# Altium PCB NG2092.PcbDoc (part 5 of 5)
Units mm, origin at the board's own origin, x right, y up, seen from the top; angles counter-clockwise.
Board outline 60 x 45 mm, 6 copper layers (Top Layer, Inner Layer 1, Ground 1, Inner Layer 2, Ground 2, Bottom Layer), stack 1.599 mm thick; 265 components, 220 nets, 1303 pads, 742 vias.
Unrouted connection lines stored in the file: 5.
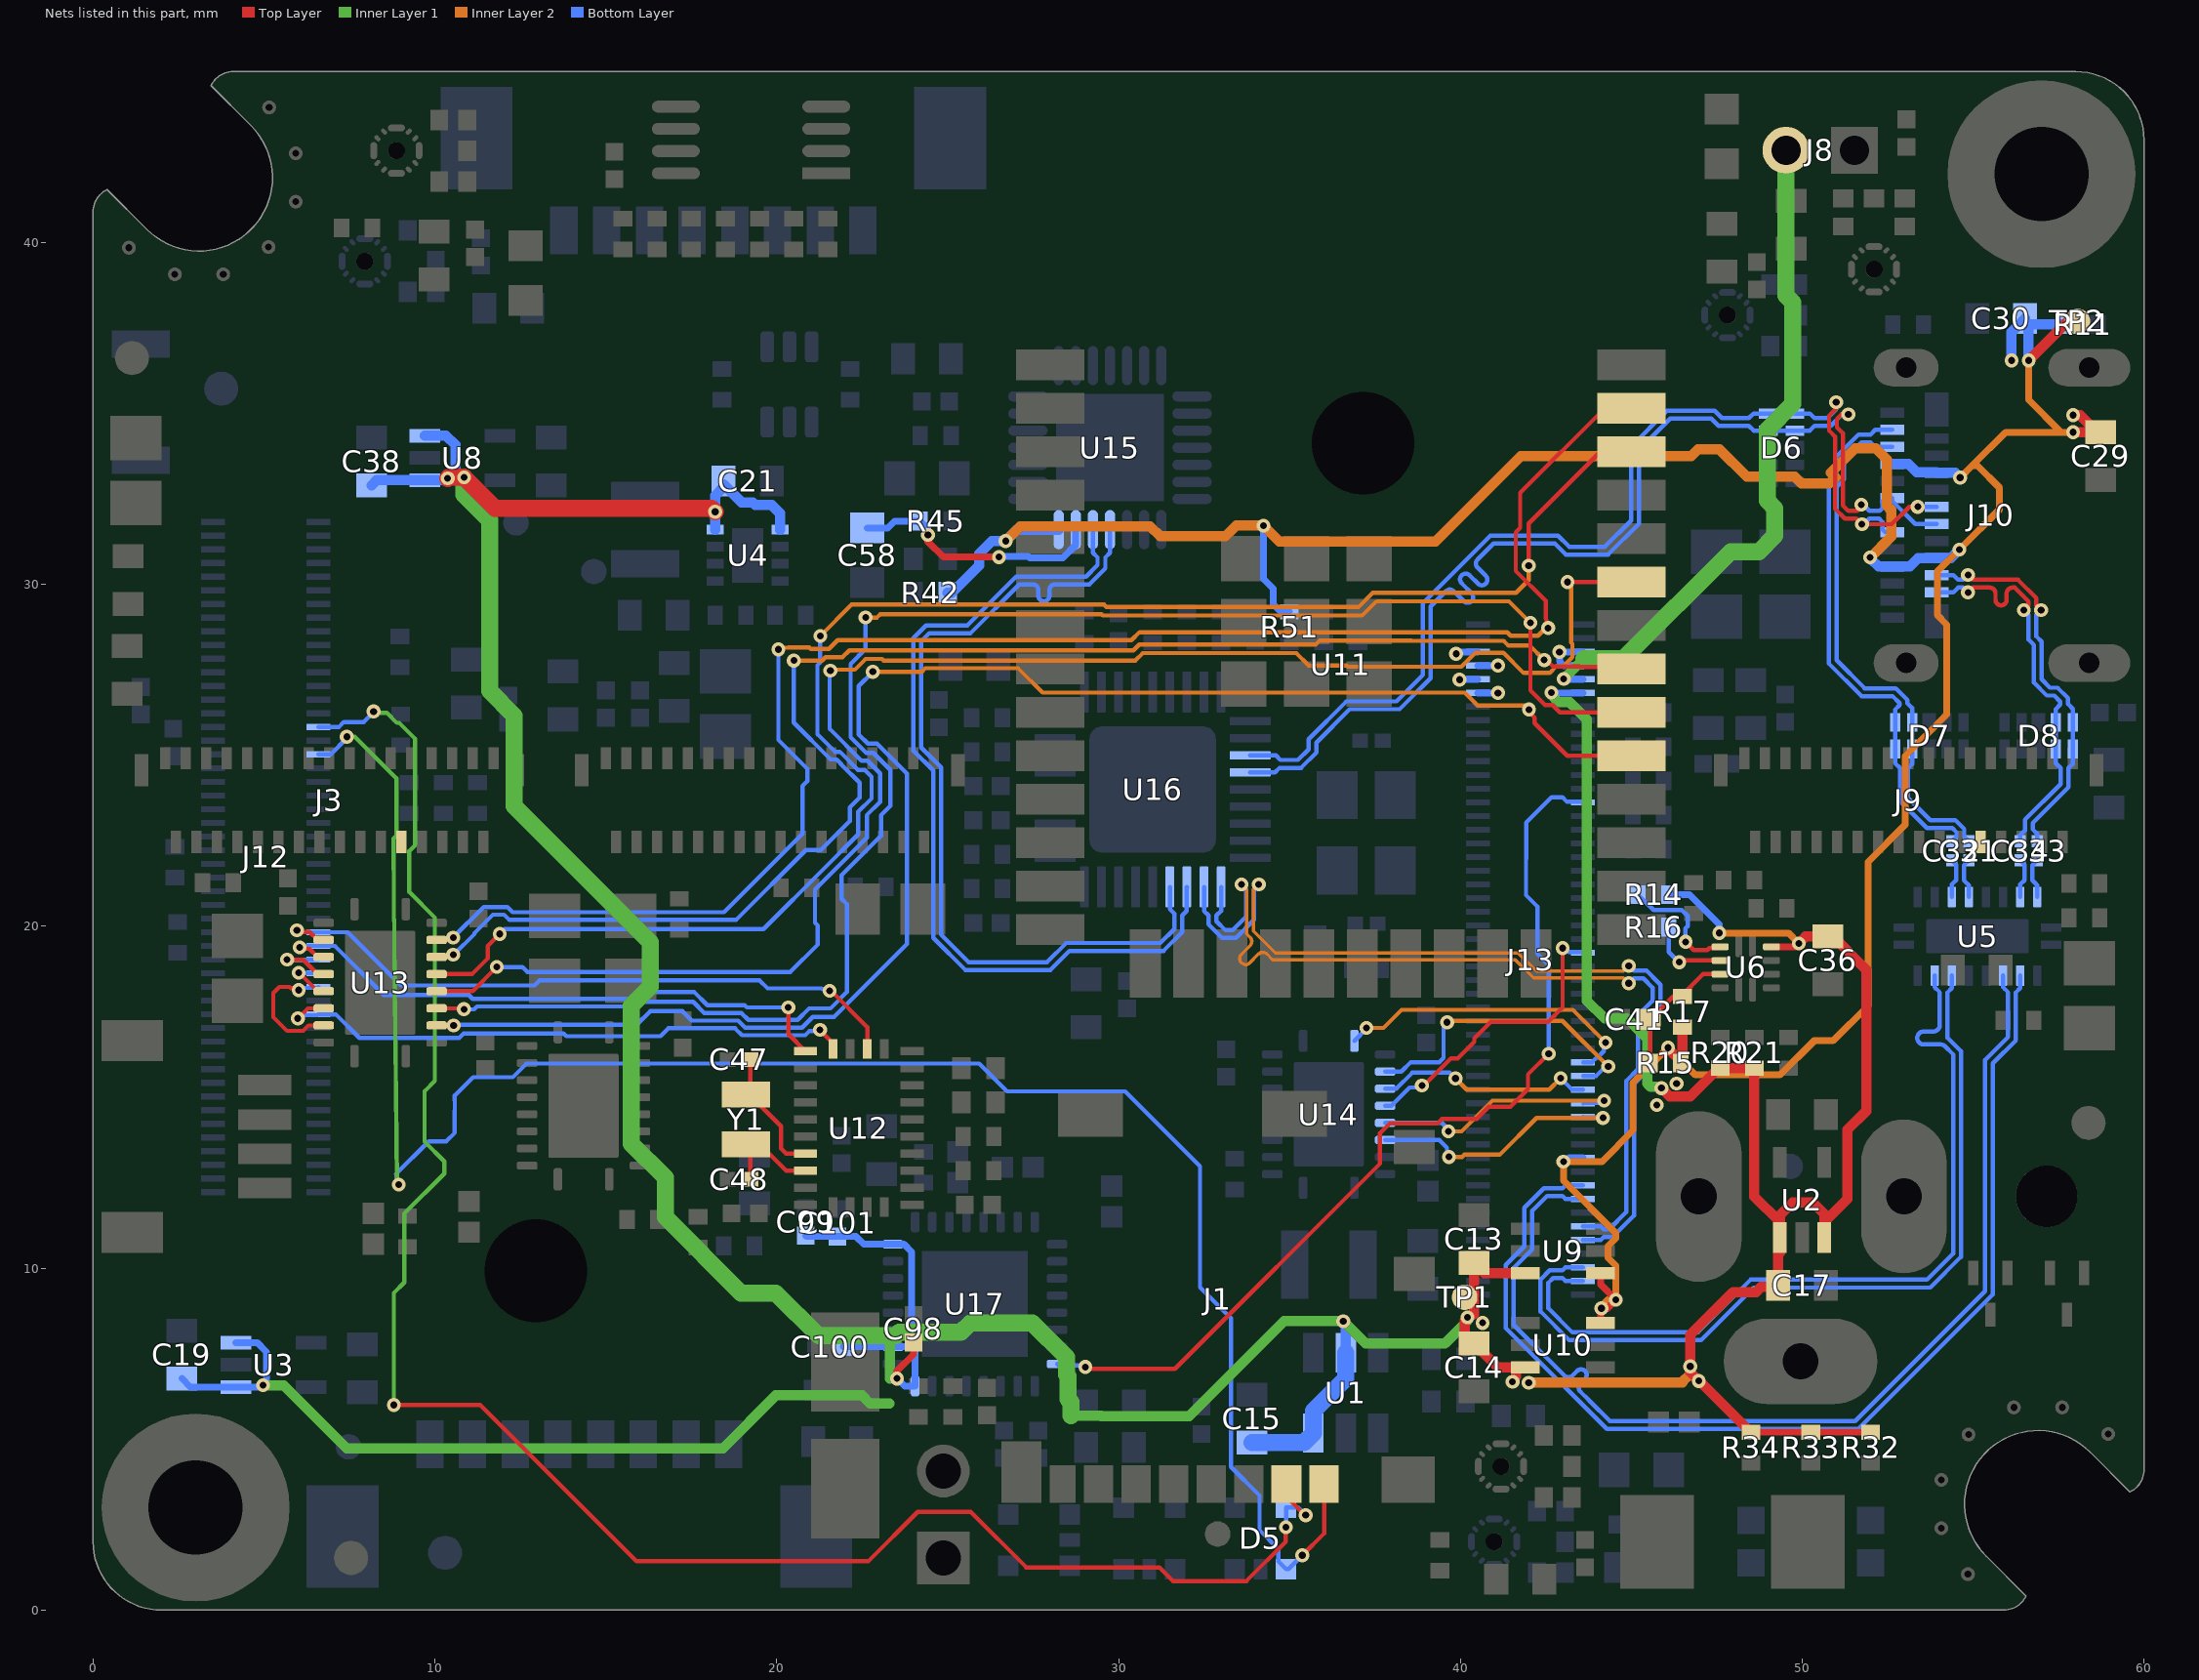
[diagram p9: the nets of this part, all layers, seen from the top]

## Via types
v1: diameter 0.406, hole 0.203, Top Layer to Bottom Layer, tented both sides, 734 vias
v2: diameter 0.508, hole 0.254, Top Layer to Bottom Layer, 8 vias

## Nets (pads, with @x,y where several pads share a name; then routed paths per layer and width w, separated by ;. In a path a pad name is that pad's centre, name@x,y a point inside that pad or via, vN(x,y) a via of type N, cw(c..) or ccw(c..) an arc to the next point about the centre after c; other vN are vias at no path point) (continued)
SD0_D2_3V3: D5.1 J1.1 J12.36 | length 57.9
  Top Layer w0.125: v1(35.375,1.6) 36.012,2.238 J1.1@36.012,3.688
  Inner Layer 1 w0.125: v1(7.425,25.544) 7.656,25.544 8.875,24.325 8.875,22.65 8.827,22.602 8.791,22.566 8.791,22.462 8.8,20.819 8.894,12.493 v1(8.946,12.442)
  Bottom Layer w0.125: J12.36@6.59,25.025 6.95,25.025 7.425,25.5 v1(7.425,25.544) ; v1(8.946,12.442) 8.892,12.495 8.892,12.717 8.859,12.75 9.819,13.709 10.331,13.709 10.582,13.961 10.582,14.6 10.585,14.603 10.585,14.906 10.582,14.908 10.582,15.049 11.117,15.584 12.281,15.584 12.681,15.984 25.927,15.984 26.74,15.172 30.192,15.172 32.386,12.978 32.386,9.438 33.287,8.536 33.287,4.187 34.125,3.35 34.125,2.335 34.675,1.785 34.675,1.425 D5.1@34.9,1.2 34.975,1.2 v1(35.375,1.6)
SD0_D3_3V3: D5.5 J1.2 J12.32 | length 56.9
  Top Layer w0.125: v1(8.8,6) 11.325,6 15.9,1.425 22.677,1.425 24.127,2.875 25.675,2.875 27.3,1.25 31.193,1.25 31.593,0.85 33.742,0.85 34.889,1.997 34.889,2.414 v1(34.9,2.425) ; J1.2@34.912,3.688 34.912,3.313 35.425,2.8 35.45,2.8 v1(35.475,2.775)
  Inner Layer 1 w0.125: v1(8.206,26.284) 8.247,26.243 8.596,26.243 8.889,25.95 8.957,25.95 9.425,25.482 9.425,22.375 9.254,22.204 9.254,21.001 10,20.255 10,15.475 9.7,15.175 9.7,13.7 10.275,13.125 10.275,12.768 9.109,11.602 9.109,9.584 8.8,9.275 v1(8.8,6)
  Bottom Layer w0.125: J12.32@6.59,25.825 7.189,25.825 7.339,25.975 7.925,25.975 8.206,26.256 v1(8.206,26.284) ; v1(34.9,2.425) D5.5@34.9,3 35.25,3 v1(35.475,2.775)
SPI0_CS_0: J12.70 U13.8 | length 3.9
  Top Layer w0.125: v1(6.019,18.134) 5.965,18.187 5.787,18.187 5.75,18.225 5.45,18.225 5.275,18.05 5.275,17.341 5.675,16.941 6.144,16.941 6.303,17.1 U13.8@6.75,17.1
  Bottom Layer w0.125: v1(6.019,18.134) 6.095,18.134 6.159,18.197 6.562,18.197 J12.70@6.59,18.225
SPI0_SCK: J12.74 U12.19 U13.7 | length 17.5
  Top Layer w0.125: v1(5.992,17.306) 6.286,17.6 U13.7@6.75,17.6 ; v1(21.267,16.972) 21.267,16.958 21.65,16.575 U12.19@21.65,16.413
  Bottom Layer w0.125: v1(5.992,17.306) 6.062,17.306 6.153,17.397 6.562,17.397 J12.74@6.59,17.425 7.1,17.425 7.791,16.734 10.711,16.734 10.842,16.866 13.763,16.866 13.844,16.784 16.601,16.784 16.833,17.016 18.781,17.016 18.984,16.812 20.834,16.812 20.952,16.93 21.226,16.93 v1(21.267,16.972)
SPI0_SIO0: J12.62 U12.17 U13.3 | length 19.5
  Top Layer w0.125: v1(5.965,19.885) 6.019,19.831 6.339,19.831 6.57,19.6 U13.3@6.75,19.6 ; v1(21.55,18.11) 21.59,18.11 22.65,17.05 U12.17@22.65,16.413
  Bottom Layer w0.125: v1(5.965,19.885) 6.025,19.825 J12.62@6.59,19.825 7.45,19.825 9.006,18.269 12.917,18.269 13.064,18.416 19.503,18.416 19.734,18.184 21.317,18.184 21.338,18.163 21.496,18.163 v1(21.55,18.11)
SPI0_SIO1: J12.64 U12.20 U13.4 | length 17.5
  Top Layer w0.125: v1(6.044,19.385) 6.083,19.346 6.324,19.346 6.57,19.1 U13.4@6.75,19.1 ; v1(20.34,17.628) 20.34,16.847 U12.20@20.837,16.35
  Bottom Layer w0.125: v1(6.044,19.385) 6.084,19.425 J12.64@6.59,19.425 7.075,19.425 8.509,17.991 10.991,17.991 11.103,17.879 15.707,17.879 15.91,18.082 17.583,18.082 17.974,17.691 19.061,17.691 19.123,17.628 v1(20.34,17.628)
SPI0_SIO2: J12.66 U13.5 | length 2.2
  Top Layer w0.125: v1(5.678,19.025) 5.684,19.019 6.154,19.019 6.382,18.792 6.382,18.788 6.57,18.6 U13.5@6.75,18.6
  Bottom Layer w0.125: v1(5.678,19.025) 5.684,19.019 6.584,19.019 J12.66@6.59,19.025
SPI0_SIO3: J12.68 U13.6 | length 1.5
  Top Layer w0.125: v1(6.016,18.64) 6.03,18.64 6.57,18.1 U13.6@6.75,18.1
  Bottom Layer w0.125: v1(6.016,18.64) 6.024,18.633 6.582,18.633 J12.68@6.59,18.625
SPI1_CLK_1V8: J13.72 U14.6 | length 7.5
  Inner Layer 2 w0.125: v1(39.65,14) 40.035,14 40.937,14.902 v1(44.202,14.902)
  Bottom Layer w0.125: U14.6@37.8,14.25 39.461,14.25 v1@39.68,14.03 ; J13.72@43.59,14.825 43.605,14.84 44.071,14.84 44.133,14.902 v1(44.202,14.902)
SPI1_CS0_1V8: J13.74 U14.7 | length 7.8
  Inner Layer 2 w0.125: v1(39.663,13.253) 40.051,13.253 40.116,13.319 41.151,13.319 42.228,14.396 v1(44.171,14.396)
  Bottom Layer w0.125: U14.7@37.8,13.75 39.383,13.75 39.609,13.523 39.609,13.307 v1(39.663,13.253) ; J13.74@43.59,14.425 43.604,14.411 44.157,14.411 v1(44.171,14.396)
SPI1_D0_1V8: J13.66 U14.1 | length 9.2
  Inner Layer 2 w0.125: v1(37.253,17.028) 37.753,17.028 38.282,17.557 43.289,17.557 v1(44.25,16.596)
  Bottom Layer w0.125: U14.1@36.9,16.65 37.253,17.003 v1(37.253,17.028) ; J13.66@43.59,16.025 43.85,16.025 43.981,16.156 44.009,16.156 44.201,16.348 44.201,16.547 v1(44.25,16.596)
SPI1_D1_1V8: J13.68 U14.3 | length 9.1
  Inner Layer 2 w0.125: v1(39.613,17.191) 39.66,17.237 42.987,17.237 v1(44.325,15.9)
  Bottom Layer w0.125: U14.3@37.8,15.75 38.275,15.75 38.55,16.025 39.385,16.025 39.509,16.15 39.509,17.087 v1(39.613,17.191) ; J13.68@43.59,15.625 43.975,15.625 44.25,15.9 v1(44.325,15.9)
SPI1_D2_1V8: J13.70 U14.4 | length 6.5
  Inner Layer 2 w0.125: v1(39.857,15.55) 40.185,15.222 42.599,15.222 v1(42.937,15.559)
  Bottom Layer w0.125: U14.4@37.8,15.25 38.125,15.25 38.591,15.716 38.715,15.716 38.718,15.719 39.032,15.719 39.035,15.716 39.691,15.716 v1(39.857,15.55) ; v1(42.937,15.559) 42.937,15.55 43.262,15.225 J13.70@43.59,15.225
SPI1_D3_1V8: J13.50 U14.5 | length 8.8
  Top Layer w0.125: v1(38.875,15.341) 38.927,15.341 39.724,16.138 39.923,16.138 40.408,16.623 40.408,16.718 40.893,17.203 42.569,17.203 42.991,17.626 v1(42.991,19.362)
  Bottom Layer w0.125: U14.5@37.8,14.75 37.98,14.75 38.517,15.287 38.821,15.287 v1(38.875,15.341) ; v1(42.991,19.362) 43.067,19.362 43.177,19.252 43.562,19.252 J13.50@43.59,19.225
SPKR_MCLK: J13.28 U17.8 | length 28.1
  Top Layer w0.125: v1(29.027,7.11) 29.076,7.061 29.254,7.061 29.259,7.056 31.648,7.056 37.65,13.058 37.65,13.95 37.937,14.238 39.335,14.238 39.463,14.366 40.481,14.366 40.837,14.722 41.464,14.722 41.978,15.236 41.978,15.668 v1(42.583,16.273)
  Bottom Layer w0.125: U17.8@28.2,7.2 28.245,7.155 28.982,7.155 v1(29.027,7.11) ; v1(42.583,16.273) 42.583,18.868 42.252,19.2 42.252,20.578 41.921,20.91 41.921,21.974 41.923,21.977 41.923,23.033 42.668,23.778 42.982,23.778 43.12,23.64 43.575,23.64 J13.28@43.59,23.625
STROBE1: J3.10
STROBE2: J9.10
TXB1_N: C31.2 U5.15 | length 1.1
  Bottom Layer w0.127: 54.843,21.235 54.729,21.349 54.729,21.781 C31.2@54.877,21.928 ; U5.15@54.877,20.858 54.877,21.201
TXB1_P: C32.2 U5.14 | length 1.2
  Bottom Layer w0.127: U5.14@54.377,20.858 54.377,21.225 54.501,21.349 54.501,21.804 C32.2@54.377,21.928
TXB_N: C31.1 D7.4 D7.7 J10.A3 | length 15.6
  Bottom Layer w0.127: J10.A3@52.63,34.02 52.136,34.02 52,34.156 51.74,34.156 51.227,33.643 51.227,33.074 51.004,32.85 51.004,27.785 51.828,26.961 52.737,26.961 53.079,26.62 53.079,26.521 53.215,26.385 D7.7@53.215,25.965 D7.4@53.215,25.185 53.215,24.75 53.091,24.626 53.091,23.757 53.745,23.104 54.482,23.104 54.741,22.845 54.741,22.624 C31.1@54.877,22.488
TXB_P: C32.1 D7.5 D7.6 J10.A2 | length 16
  Bottom Layer w0.127: J10.A2@52.63,34.52 52.136,34.52 52,34.384 51.645,34.384 50.999,33.738 50.999,33.169 50.775,32.945 50.775,27.691 51.733,26.733 52.642,26.733 52.85,26.525 52.85,26.471 52.715,26.335 D7.6@52.715,25.965 D7.5@52.715,25.185 52.715,24.774 52.862,24.626 52.862,23.663 53.65,22.875 54.388,22.875 54.513,22.75 54.513,22.624 C32.1@54.377,22.488
TXC1_N: C33.2 U5.19 | length 1.1
  Bottom Layer w0.127: 56.843,21.235 56.729,21.349 56.729,21.781 C33.2@56.877,21.928 ; U5.19@56.877,20.858 56.877,21.201
TXC1_P: C34.2 U5.18 | length 1.2
  Bottom Layer w0.127: U5.18@56.377,20.858 56.377,21.225 56.501,21.349 56.501,21.804 C34.2@56.377,21.928
TXC_N: C33.1 D8.1 D8.10 J10.B3 | length 11.6
  Top Layer w0.127: v1(54.85,30.273) 54.989,30.134 56.312,30.134 56.852,29.595 56.852,29.385 v1(56.991,29.246)
  Bottom Layer w0.127: J10.B3@53.93,30.27 54.425,30.27 54.561,30.134 54.711,30.134 v1(54.85,30.273) ; C33.1@56.877,22.488 56.877,22.701 56.741,22.837 56.741,23.018 57.791,24.068 57.791,24.626 57.915,24.75 D8.1@57.915,25.185 D8.10@57.915,25.965 57.915,26.36 57.779,26.496 57.779,26.67 57.47,26.979 57.25,26.979 57.002,27.227 57.002,28.327 56.852,28.477 56.852,29.107 v1(56.991,29.246)
TXC_P: C34.1 D8.2 D8.9 J10.B2 | length 12
  Top Layer w0.127: v1(54.85,29.767) 54.989,29.906 55.1,29.906 55.491,29.906 cw(c55.491,29.742) 55.654,29.742 55.654,29.55 ccw(c55.818,29.55) 55.981,29.55 55.981,29.742 cw(c56.145,29.742) 56.145,29.906 56.218,29.906 56.455,29.668 56.525,29.598 56.623,29.5 56.623,29.385 v1(56.484,29.246)
  Bottom Layer w0.127: J10.B2@53.93,29.77 54.425,29.77 54.561,29.906 54.711,29.906 v1(54.85,29.767) ; C34.1@56.377,22.488 56.377,22.664 56.513,22.8 56.513,23.113 57.562,24.162 57.562,24.626 57.415,24.774 D8.2@57.415,25.185 D8.9@57.415,25.965 57.415,26.35 57.55,26.486 57.55,26.575 57.375,26.75 57.155,26.75 56.773,27.132 56.773,28.232 56.623,28.382 56.623,29.107 v1(56.484,29.246)
USB_CM: R14.1 U6.3 | length 3.6
  Top Layer w0.127: v1(46.586,19.545) 46.822,19.308 47.227,19.308 47.282,19.363 47.564,19.363 U6.3@47.6,19.4
  Bottom Layer w0.127: R14.1@45.2,20.925 45.65,20.475 46.475,20.475 46.65,20.3 46.65,20.002 46.586,19.938 v1(46.586,19.545)
USB_D_N: D6.1 D6.10 J10.A7 J10.B7 U16.30 | length 32.8
  Top Layer w0.127: v1(50.992,35.333) 50.992,35.137 50.832,34.977 50.786,34.93 50.786,34.499 50.959,34.326 50.959,32.216 51.25,31.925 51.584,31.925 v1(51.748,31.761) 52.625,31.761 53.134,32.27 v1(53.38,32.27)
  Bottom Layer w0.127: U16.30@33.85,25 34.6,25 34.736,24.864 35.246,24.864 35.557,25.175 35.557,25.47 36.665,26.579 38.129,26.579 38.9,27.35 38.9,29.448 40.878,31.426 42.858,31.426 43.182,31.102 44.227,31.102 44.996,31.871 44.996,34.03 46.043,35.077 47.437,35.077 47.649,34.864 48.441,34.864 48.577,35 D6.10@49.01,35 D6.1@49.79,35 50.225,35 50.361,34.864 50.739,34.864 50.992,35.117 v1(50.992,35.333) ; v1(51.748,31.761) 51.798,31.761 51.962,31.925 52.25,31.925 52.343,31.831 52.343,31.607 52.43,31.52 J10.A7@52.63,31.52 ; v1(53.38,32.27) J10.B7@53.93,32.27
USB_D_P: D6.2 D6.9 J10.A6 J10.B6 U16.31 | length 33.9
  Top Layer w0.127: v1(51.35,34.975) 51.154,34.975 51.014,34.836 51.014,34.594 51.121,34.488 51.188,34.42 51.188,32.31 51.345,32.154 51.604,32.154 51.731,32.281 v1(51.731,32.328)
  Bottom Layer w0.127: U16.31@33.85,24.5 34.575,24.5 34.711,24.636 35.341,24.636 35.786,25.08 35.786,25.376 36.76,26.35 38.223,26.35 39.129,27.255 39.129,29.354 39.3,29.525 39.576,29.801 cw(c39.692,29.686) 39.807,29.801 40.099,29.509 ccw(c40.215,29.625) 40.33,29.509 ccw(c40.215,29.625) 40.33,29.741 40.039,30.032 cw(c40.154,30.148) 40.039,30.264 cw(c40.154,30.148) 40.27,30.264 40.511,30.022 ccw(c40.627,30.138) 40.743,30.022 ccw(c40.627,30.138) 40.743,30.253 40.501,30.495 cw(c40.617,30.61) 40.501,30.726 40.973,31.198 41.302,31.198 42.763,31.198 43.087,30.874 44.322,30.874 45.225,31.777 45.225,33.936 46.137,34.848 47.342,34.848 47.554,34.636 48.441,34.636 48.577,34.5 D6.9@49.01,34.5 D6.2@49.79,34.5 50.225,34.5 50.361,34.636 50.834,34.636 51.173,34.975 v1(51.35,34.975) ; v1(51.731,32.328) 51.787,32.328 51.962,32.154 52.269,32.154 52.343,32.228 52.343,32.434 52.43,32.52 J10.A6@52.63,32.52 52.63,32.445 53.305,31.77 J10.B6@53.93,31.77
USB_ESP_D_N: U15.5 U16.3 | length 25.9
  Bottom Layer w0.127: 24.371,28.8 23.998,28.427 23.998,25.136 24.58,24.554 24.58,19.662 24.608,19.633 25.518,18.724 28.007,18.724 28.565,19.282 31.315,19.282 31.86,19.827 31.86,20.318 31.992,20.45 31.992,21.142 U16.3@32,21.15 ; 24.371,28.804 25.579,28.804 27.004,30.229 29.05,30.229 29.386,30.564 29.386,30.789 29.25,30.925 U15.5@29.25,31.6
USB_ESP_D_P: U15.4 U16.4 | length 25.8
  Bottom Layer w0.127: U15.4@29.75,31.6 29.75,30.925 29.614,30.789 29.614,30.47 29.145,30 28.625,30 28.143,30 ccw(c28.143,29.837) 27.979,29.837 27.979,29.674 cw(c27.816,29.674) 27.652,29.674 27.652,29.837 ccw(c27.489,29.837) 27.489,30 27.098,30 25.673,28.575 24.47,28.575 24.226,28.332 24.226,25.231 24.808,24.649 24.808,19.756 25.612,18.952 27.912,18.952 28.47,19.511 31.22,19.511 31.632,19.922 31.632,20.368 31.5,20.5 U16.4@31.5,21.15
USB_MX_D_N: J13.90 U16.1 | length 26.9
  Inner Layer 2 w0.1: v1(33.595,21.225) 33.747,21.072 33.747,20.393 33.747,19.781 33.848,19.68 cw(c33.724,19.556) 33.848,19.433 33.595,19.179 ccw(c33.718,19.056) 33.595,18.932 ccw(c33.718,19.056) 33.842,18.932 34.095,19.185 cw(c34.219,19.061) 34.343,19.185 34.506,19.022 34.522,19.022 41.606,19.022 42.142,18.486 44.772,18.486 v1(44.925,18.334)
  Bottom Layer w0.127: U16.1@33,21.15 33,20.45 32.864,20.314 32.864,20.15 33.129,19.885 33.335,19.885 33.734,20.284 33.734,21.086 v1(33.595,21.225) ; J13.90@43.59,11.225 44.105,11.225 44.191,11.139 44.355,11.139 44.85,11.634 44.85,15.473 45.199,15.822 45.199,16.087 45.199,17.133 45.199,17.399 45.625,17.825 45.625,18.2 45.352,18.473 45.064,18.473 v1(44.925,18.334)
USB_MX_D_P: J13.92 U16.2 | length 26.9
  Inner Layer 2 w0.1: v1(34.101,21.225) 33.949,21.072 33.949,19.864 34.589,19.224 41.689,19.224 42.225,18.688 44.772,18.688 v1(44.925,18.84)
  Bottom Layer w0.127: U16.2@32.5,21.15 32.5,20.45 32.636,20.314 32.636,20.055 33.035,19.656 33.43,19.656 33.962,20.189 33.962,21.086 v1(34.101,21.225) ; J13.92@43.59,10.825 44.105,10.825 44.191,10.911 44.45,10.911 45.079,11.54 45.079,15.379 45.427,15.727 45.427,16.182 45.427,17.039 45.427,17.304 45.854,17.73 45.854,18.295 45.787,18.362 45.447,18.701 45.064,18.701 v1(44.925,18.84)
USB_PORT: R16.1 U6.4 | length 2.2
  Top Layer w0.127: v1@46.5,19 U6.4@47.6,19
  Bottom Layer w0.127: R16.1@46.1,19.975 46.1,19.25 v1(46.4,18.95)
USB_RX_N: J13.96 U5.7 | length 24.4
  Bottom Layer w0.127: J13.96@43.59,10.025 43.075,10.025 42.989,9.939 42.616,9.939 42.346,9.67 42.346,8.73 43.185,7.892 44.163,7.892 44.912,7.892 47.042,7.892 47.559,8.409 48.583,9.433 53.745,9.433 54.642,10.33 54.642,16.349 54.253,16.738 54.253,18.068 54.377,18.192 U5.7@54.377,18.558
USB_RX_P: J13.98 U5.8 | length 24.4
  Bottom Layer w0.127: J13.98@43.59,9.625 43.075,9.625 42.989,9.711 42.711,9.711 42.575,9.575 42.575,8.825 43.28,8.12 43.475,8.12 44.203,8.12 45.627,8.12 45.724,8.12 45.825,8.12 46.947,8.12 48.488,9.662 53.65,9.662 54.414,10.425 54.414,15.875 54.414,16.254 54.179,16.489 ccw(c54.046,16.355) 54.046,16.544 53.553,16.544 cw(c53.553,16.732) 53.365,16.732 cw(c53.553,16.732) 53.553,16.921 53.836,16.921 ccw(c53.836,17.109) 54.024,17.109 54.024,17.55 54.024,18.068 53.911,18.181 ; 53.877,18.215 U5.8@53.877,18.558
USB_TX_N: J13.84 U5.3 | length 32.5
  Bottom Layer w0.127: J13.84@43.59,12.425 43.075,12.425 42.989,12.339 42.441,12.339 41.871,11.77 41.871,10.642 41.33,10.1 41.33,8.247 44.28,5.296 51.645,5.296 55.579,9.23 55.579,15.993 56.253,16.667 56.253,18.068 56.377,18.192 U5.3@56.377,18.558
USB_TX_P: J13.86 U5.4 | length 32.1
  Bottom Layer w0.127: J13.86@43.59,12.025 43.075,12.025 42.989,12.111 42.536,12.111 42.1,11.675 42.1,10.547 41.558,10.005 41.558,8.342 42.738,7.163 42.782,7.118 43.046,6.854 ccw(c43.161,6.97) 43.277,6.854 43.415,6.992 cw(c43.53,6.877) 43.646,6.992 cw(c43.53,6.877) 43.646,6.761 43.508,6.623 ccw(c43.624,6.507) 43.508,6.392 43.739,6.161 43.784,6.116 44.375,5.525 51.55,5.525 55.35,9.325 55.35,16.087 56.024,16.762 56.024,18.068 55.911,18.181 ; 55.877,18.215 U5.4@55.877,18.558
VBUS: C29.2 C30.2 J10.A4 J10.A9 J10.B4 J10.B9 J13.80 R11.2 R15.1 R17.1 R42.2 R51.2 TP2.1 U9.1 U10.3 U15.7 | length 97.3
  Top Layer w0.2: U10.3@44.1,8.4 44.1,8.8 v1(44.125,8.825) 44.3,8.825 v1(44.55,9.075) 44.1,9.525 U9.1@44.1,9.85
  Top Layer w0.3: v1(46.075,16.45) 46.075,16.425 R15.1@46.45,16.05 ; R15.1@46.45,16 R15.1@46.45,16.05 ; R17.1@46.5,17.05 46.5,16.325 46.45,16.275 R15.1@46.45,16.05 ; v1(56.625,36.55) 57.775,37.7 TP2.1@58.05,37.7 ; v1(57.925,34.45) C29.2@58.725,34.45 ; v1(57.925,34.95) 58.125,34.95 C29.2@58.625,34.45
  Inner Layer 2 w0.2: v1(43.015,13.119) 43.015,12.56 44.55,11.025 44.55,10.87 44.322,10.642 44.322,10.308 44.55,10.08 v1(44.55,9.075) 44.307,9.075 44.125,8.893 v1(44.125,8.825) ; v1@43.021,13.119 44.144,13.119 45.05,14.025 45.05,15.425 v1(46.075,16.45) 46.875,15.65 49.35,15.65 50.35,16.65 50.9,16.65 51.925,17.675 51.925,21.881 53.017,22.973 53.017,24.979 54.225,26.187 54.225,28.825 53.95,29.1 53.95,30.371 v1(54.599,31.019) 55.775,32.196 55.775,32.825 55.125,33.475 54.973,33.475 ; v1(54.621,33.122) 54.973,33.475 ; v1(56.625,36.55) 56.625,35.4 57.575,34.45 ; v1(57.925,34.45) 57.575,34.45 ; 54.973,33.475 55.948,34.45 57.575,34.45
  Inner Layer 2 w0.3: v1(26.697,31.267) 27.13,31.7 30.925,31.7 31.216,31.409 33.134,31.409 33.446,31.721 v1(34.237,31.721) 34.708,31.25 39.275,31.25 41.772,33.747 46.752,33.747 46.955,33.95 47.575,33.95 48.375,33.15 49.775,33.15 49.975,32.95 50.8,32.95 50.975,33.125 ; 50.838,33.263 51.55,33.975 52.15,33.975 52.475,33.65 52.475,32.3 52.6,32.175 52.6,31.4 v1(51.988,30.788)
  Bottom Layer w0.2: v1(34.237,31.721) 34.237,30.162 34.522,29.878 34.522,29.42 34.742,29.2 R51.2@35,29.2 ; v1@43.178,13.225 J13.80@43.59,13.225
  Bottom Layer w0.3: R42.2@25,29.75 25.125,29.75 25.925,30.55 25.925,30.9 26.292,31.267 v1(26.697,31.267) 27.03,31.6 U15.7@28.25,31.6 ; v1(51.988,30.788) 51.988,30.758 52.006,30.741 52.025,30.741 52.025,30.725 52.23,30.52 J10.A9@52.63,30.52 53.145,30.52 53.395,30.77 J10.B4@53.93,30.77 54.349,30.77 v1(54.599,31.019) ; J10.A4@52.63,33.52 53.105,33.52 53.35,33.275 J10.B9@53.925,33.275 ; J10.B9@53.93,33.27 54.473,33.27 v1(54.621,33.122) ; v1(56.125,36.55) 56.125,37.275 56.125,37.375 C30.2@56.525,37.775 ; v1(56.625,36.55) 56.625,37.6 R11.2@57.75,37.6
VBUS_DET: C41.2 R15.2 R17.2 U6.5 | length 3.9
  Top Layer w0.127: R15.2@45.55,16 45.55,16.965 C41.2@45.55,17.275 46.225,17.95 R17.2@46.45,17.95 ; R17.2@46.5,17.95 R17.2@46.45,17.95 ; U6.5@47.6,18.6 47.1,18.6 R17.2@46.45,17.95
VDD: C58.2 R45.1 U15.6 | length 7.5
  Top Layer w0.2: v1(24.425,31.45) 24.425,31.25 24.875,30.8 v1(26.5,30.8)
  Bottom Layer w0.2: C58.2@22.65,31.65 23.25,31.65 23.45,31.85 R45.1@24.2,31.85 24.425,31.625 v1(24.425,31.45) ; v1(26.5,30.8) 26.525,30.825 27.35,30.825 27.4,30.775 28.372,30.775 28.75,31.153 U15.6@28.75,31.6
VDD_5V: C13.2 C14.2 C15.2 C17.2 C19.2 C21.2 C36.2 C38.2 C98.2 C99.2 C100.2 C101.2 J8.P2 J13.5 J13.6 J13.7 J13.8 J13.9 J13.10 J13.11 J13.12 R14.2 R20.2 R21.2 R32.2 R33.2 R34.2 TP1.1 U1.3 U1.5 U2.1 U2.3 U3.1 U3.3 U4.1 U4.8 U6.12 U8.1 U8.3 U9.6 U10.6 U17.16 U17.18 U17.24 | length 200.3
  Top Layer w0.2: v1(23.522,6.772) 23.525,6.775 23.525,7 24,7.475 C98.2@24,7.825 ; R34.2@48.5,5.2 R33.2@50.25,5.2 R32.2@52,5.2 ; U6.12@49.1,19.4 49.8,19.4 v1(49.9,19.5)
  Top Layer w0.3: v1@40.125,8.475 40.125,8.075 C14.2@40.4,7.8 41.1,7.1 41.65,7.1 41.625,7.075 v1@41.625,6.825 ; 40.4,8.65 C13.2@40.4,10.15 40.7,9.85 U9.6@41.9,9.85 ; v1(45.883,15.267) 46.125,15.025 46.725,15.025 47.55,15.85 R20.2@47.6,15.85 47.603,15.847 48.265,15.847 48.268,15.85 R21.2@48.6,15.85 48.6,12.1 U2.1@49.35,11.35 ; R34.2@48.5,5.2 47,6.7 v1(46.975,6.7) 46.725,6.95 46.725,8.05 47.975,9.3 48.65,9.3 48.8,9.45 C17.2@49.35,9.45 ; C17.2@49.3,9.5 49.3,10.4 49.35,10.45 U2.1@49.35,10.9 U2.1@49.35,11.35 ; v1(49.9,19.5) 50.048,19.648 50.048,19.652 50.095,19.7 C36.2@50.75,19.7 50.9,19.7 51.875,18.725 51.875,14.6 51.325,14.05 51.325,12.025 U2.3@50.65,11.35 ; U2.3@50.65,10.9 U2.3@50.65,11.35 ; U2.1@49.35,11.35 49.35,11.55 49.725,11.925 50.3,11.925 50.65,11.575 U2.3@50.65,11.35
  Top Layer w0.5: v1(10.375,33.1) 10.408,33.133 v1(10.854,33.133) 11.762,32.225 18.1,32.225 v1(18.2,32.125)
  Inner Layer 1 w0.3: v1(4.975,6.575) 5.575,6.575 7.425,4.725 18.424,4.725 19.977,6.278 20.437,6.278 20.813,6.278 22.5,6.278 22.732,6.047 23.303,6.047 ; 23.307,6.772 23.307,7.843 23.484,8.021 ; 28.603,5.678 29.488,5.678 29.498,5.668 32.059,5.668 34.841,8.45 v1(36.575,8.45) 37.225,7.8 39.55,7.8 40.2,8.45 40.2,8.55 v1(40.21,8.56) ; v1(42.665,26.837) 42.665,26.76 42.875,26.55 43.2,26.55 43.7,26.05 43.7,17.825 44.225,17.3 44.875,17.3 45.475,16.7 45.475,15.4 45.575,15.3 45.85,15.3 v1(45.883,15.267) ; v1(43.025,27.237) 43.611,27.823
  Inner Layer 1 w0.5: v1(10.854,33.133) 10.854,32.621 11.6,31.875 11.6,26.886 12.325,26.161 12.325,23.515 16.308,19.532 16.308,18.235 15.748,17.675 15.748,13.639 16.741,12.647 16.741,11.492 18.961,9.272 19.976,9.272 21.228,8.021 23.484,8.021 23.585,8.122 25.389,8.122 25.67,8.403 27.473,8.403 28.474,7.403 28.474,7.339 28.474,6.881 28.519,6.835 28.519,6.163 28.603,6.079 28.603,5.678 ; 43.611,27.823 44.773,27.823 47.906,30.956 48.731,30.956 49.2,31.425 49.2,32.225 48.975,32.45 48.975,34.525 49.728,35.278 49.728,38.247 49.525,38.45 J8.P2@49.525,42.7
  Inner Layer 2 w0.2: v1(47.575,19.803) 49.597,19.803 v1(49.9,19.5)
  Inner Layer 2 w0.3: v1(42,6.65) 46.5,6.65 46.5,6.679 46.705,6.883
  Bottom Layer w0.2: C19.2@2.6,6.775 2.85,6.525 U3.1@4.175,6.525 4.925,6.525 v1(4.975,6.575) 5.075,6.675 5.075,7.55 4.8,7.825 U3.3@4.175,7.825 ; C99.2@20.85,10.95 20.875,10.925 C101.2@21.775,10.925 22.325,10.925 22.55,10.7 U17.24@23.4,10.7 23.725,10.7 23.95,10.475 23.95,7.725 23.925,7.7 ; C100.2@21.95,7.7 U17.18@23.4,7.7 23.925,7.7 ; v1(23.522,6.772) 23.744,6.55 U17.16@24.05,6.55 24.05,7.575 23.925,7.7 ; v1(39.875,27.969) 39.931,27.969 39.977,28.015 40.5,28.015 J13.5@40.51,28.025 ; v1(39.975,27.212) 39.981,27.219 40.504,27.219 J13.9@40.51,27.225 ; J13.11@40.51,26.825 v1(41.1,26.825) ; J13.7@40.51,27.625 v1(41.1,27.625) ; v1(42.665,26.837) 42.665,26.76 42.675,26.75 42.8,26.75 42.875,26.825 J13.12@43.59,26.825 ; v1(43.025,27.237) 43.044,27.256 43.075,27.225 J13.10@43.59,27.225 ; J13.8@43.59,27.625 43.025,27.625 42.9,27.75 v1(42.9,28.025) J13.6@43.59,28.025 ; R14.2@46.1,20.925 46.7,20.925 47.575,20.05 v1(47.575,19.803)
  Bottom Layer w0.3: C38.2@8.15,32.9 8.3,33.05 U8.1@9.7,33.05 10.325,33.05 v1(10.375,33.1) 10.6,33.325 10.6,34.075 10.325,34.35 U8.3@9.7,34.35 ; U4.8@18.2,31.6 18.2,32.6 C21.2@18.45,32.85 ; C21.2@18.45,32.925 18.978,32.397 19.294,32.397 19.366,32.325 19.85,32.325 20.1,32.075 U4.1@20.1,31.6 ; v1(36.575,8.45) 36.65,8.375 U1.5@36.65,7.525
  Bottom Layer w0.5: C15.2@33.9,4.9 35.425,4.9 U1.3@35.7,5.175 35.7,5.825 36.65,6.775 U1.5@36.65,7.525
  other v1: 41.525,6.675 46.725,7.125 40.65,8.4 45.75,14.775 46.325,15.4
VSPI_CS0: U11.29 U13.13 | length 47.4
  Top Layer w0.125: U13.13@10.05,17.1 v1(10.55,17.1) ; v1(42.006,26.34) 42.006,26.271 42.172,26.105 42.172,25.943 43.128,24.987 U11.29@45,24.987
  Inner Layer 2 w0.125: v1(22.811,27.444) 24.239,27.444 24.345,27.55 27.063,27.55 27.779,26.834 40.132,26.834 40.506,26.459 41.887,26.459 v1(42.006,26.34)
  Bottom Layer w0.125: v1(10.55,17.1) 10.57,17.12 15.903,17.12 16.299,17.516 17.241,17.516 17.516,17.241 18.874,17.241 19.078,17.037 20.741,17.037 21.054,17.35 21.679,17.35 23.81,19.481 23.81,24.465 22.934,25.341 22.666,25.341 22.4,25.608 22.4,27.025 22.811,27.436 v1(22.811,27.444)
VSPI_HOLDn_SIO3: U11.33 U13.15 | length 48.3
  Top Layer w0.125: U13.15@10.05,18.1 11.104,18.1 v1(11.814,18.809) ; v1(43.132,30.067) U11.33@45,30.067
  Inner Layer 2 w0.125: v1(21.569,27.476) 21.6,27.507 22.288,27.507 22.603,27.822 23.083,27.822 23.13,27.775 30.495,27.775 30.71,27.99 35.199,27.99 35.561,27.628 36.669,27.628 36.707,27.59 40.032,27.59 40.444,28.003 41.257,28.003 41.851,27.409 42.61,27.409 42.804,27.603 43.013,27.603 43.278,27.868 43.278,28.261 43.241,28.299 43.241,29.959 v1(43.132,30.067)
  Bottom Layer w0.125: v1(11.814,18.809) 12.558,18.809 12.708,18.659 20.394,18.659 21.203,19.468 21.203,20.022 21.122,20.103 21.122,21.072 21.65,21.601 ; v1(21.569,27.476) 21.55,27.457 21.55,25.775 22.479,24.846 22.654,24.846 23.025,24.475 23.025,23.639 22.636,23.25 22.636,22.587 21.65,21.601
VSPI_SCK: U11.30 U13.14 | length 50.2
  Top Layer w0.125: U13.14@10.05,17.6 10.825,17.6 v1(10.85,17.575) ; v1(42.05,28.875) 42.05,26.9 42.479,26.471 42.696,26.471 42.91,26.257 U11.30@45,26.257
  Inner Layer 2 w0.125: v1(22.6,29.031) 22.932,29.031 23.024,29.123 29.507,29.123 29.539,29.09 37.129,29.09 37.542,29.503 41.422,29.503 v1(42.05,28.875)
  Bottom Layer w0.125: v1(10.85,17.575) 10.855,17.57 11.151,17.57 11.235,17.654 15.8,17.654 15.936,17.789 17.557,17.789 17.881,17.466 18.968,17.466 19.171,17.263 20.612,17.263 20.95,17.6 21.575,17.6 22.05,18.075 22.05,20.653 21.9,20.803 21.9,21.497 23.053,22.651 23.053,23.25 23.325,23.522 23.325,24.575 22.829,25.071 22.619,25.071 22.163,25.527 22.163,27.672 22.6,28.11 v1(22.6,29.031)
VSPI_SDI_SIO1: U11.31 U13.17 | length 44.7
  Top Layer w0.125: U13.17@10.05,19.1 10.471,19.1 v1(10.537,19.166) ; v1(42.453,27.787) 42.523,27.787 42.706,27.603 43.485,27.603 43.506,27.581 44.946,27.581 U11.31@45,27.527
  Inner Layer 2 w0.125: v1(20.502,27.773) 21.331,27.773 21.426,27.868 21.922,27.868 22.126,28.072 30.438,28.072 30.607,28.24 35.768,28.24 35.882,28.353 38.571,28.353 38.577,28.347 41.267,28.347 41.395,28.218 42.022,28.218 v1(42.453,27.787)
  Bottom Layer w0.125: v1(10.537,19.166) 10.548,19.166 11.166,19.784 11.166,19.808 11.699,20.341 12.024,20.341 12.18,20.184 18.81,20.184 20.856,22.23 21.29,22.23 22.136,23.076 22.136,23.475 22.425,23.764 22.425,24.2 21.9,24.725 21.9,24.732 21.803,24.828 21.752,24.88 21.612,24.88 21.601,24.89 21.565,24.89 20.502,25.954 v1(20.502,27.773)
VSPI_SDO_SIO0: U11.37 U13.18 | length 49.5
  Top Layer w0.125: U13.18@10.05,19.6 10.465,19.6 v1(10.537,19.672) ; v1(42.569,28.725) 42.52,28.774 42.52,28.971 42.497,28.993 42.497,29.518 41.622,30.393 41.622,31.522 41.75,31.65 41.75,32.679 44.219,35.147 U11.37@45,35.147
  Inner Layer 2 w0.125: v1(20.05,28.1) 20.099,28.149 20.343,28.149 20.345,28.151 20.961,28.151 20.997,28.115 21.53,28.115 21.781,28.366 30.379,28.366 30.616,28.603 39.712,28.603 39.718,28.597 41.37,28.597 41.47,28.497 42.271,28.497 42.499,28.725 v1(42.569,28.725)
  Bottom Layer w0.125: v1(10.537,19.672) 11.43,20.566 12.117,20.566 12.274,20.409 18.459,20.409 20.751,22.701 20.751,24.101 20.895,24.245 20.895,24.605 20.05,25.45 v1(20.05,28.1)
VSPI_WPn_SIO2: U11.36 U13.16 | length 48.1
  Top Layer w0.125: U13.16@10.05,18.6 11.087,18.6 11.544,19.056 11.544,19.419 v1(11.9,19.775) ; v1(42,30.55) 42,31.782 44.095,33.877 U11.36@45,33.877
  Inner Layer 2 w0.125: v1(21.275,28.493) 22.191,29.41 29.574,29.41 29.643,29.34 37.025,29.34 37.438,29.753 41.628,29.753 42,30.125 v1(42,30.55)
  Bottom Layer w0.125: v1(11.9,19.775) 12.041,19.916 19.612,19.916 21.391,21.695 22.386,22.691 22.386,23.35 22.775,23.739 22.775,24.375 22.575,24.575 22.375,24.575 21.845,25.105 21.705,25.105 21.191,25.619 21.191,27.633 21.275,27.717 v1(21.275,28.493)
XIN: C48.2 U12.27 Y1.2 | length 3.1
  Top Layer w0.125: C48.2@19.23,12.6 19.23,13.49 Y1.2@19.1,13.62 19.508,13.62 20.278,12.85 U12.27@20.837,12.85
XOUT: C47.2 U12.26 Y1.1 | length 4.2
  Top Layer w0.125: C47.2@19.23,16.1 19.23,15.41 18.9,15.08 Y1.1@19.1,15.08 19.195,15.08 20.125,14.15 20.125,13.5 20.275,13.35 U12.26@20.837,13.35
pads on no net: D5.4 D9.4 D10.1 D10.3 FID1.1 FID2.1 FID3.1 FID4.1 FID5.1 FID6.1 J1.9 J1.10 J2.0 J2.10 J2.28 J3.0 J3.13 J3.14 J3.16 J3.17 J5.9 J5.10 J6.9 J6.10 J7. J9.0 J9.13 J9.14 J9.16 J9.17 J10.A8 J10.B8 J12.4 J12.6 J12.10 J12.12 J12.16 J12.18 J12.22 J12.24 J12.43 J12.45 J12.46 J12.47 J12.48 J12.49 J12.51 J12.52 J12.53 J12.54 J12.55 J12.56 J12.57 J12.58 J13.31 J13.33 J13.34 J13.35 J13.36 J13.37 J13.39 J13.41 J13.43 J13.45 J13.47 J13.48 J13.49 J13.51 J13.52 J13.53 J13.54 J13.55 J13.56 J13.57 J13.58 J13.59 J13.60 J13.62 J13.63 J13.64 J13.65 J13.69 J13.71 J13.75 J13.76 J13.77 J13.81 J13.83 J13.89 J13.91 J13.93 J13.95 J13.97 J13.99 MIC1. MIC2. MIC3. MIC4. MIC5. MIC6. U1.6 U2.4 U3.4 U4.6 U5.1 U5.10 U6.6 U6.9 U7.3 U7.5 U7.6 U7.9 U7.12 U7.15 U7.16 U7.18 U8.4 U9.5 U11.17 U11.18 U11.19 U11.20 U11.21 U11.22 U11.32 U12.1 U12.7 U12.8 U12.12 U12.13 U12.21 U12.22 U12.23 U12.24 U13.9 U13.12 U14.8 U14.9 U14.12 U14.13 U15.1 U15.2 U15.10 U15.11 U15.12 U15.13 U15.14 U15.15 U15.16 U15.17 U15.18 U15.19 U15.20 U15.21 U15.22 U15.23 U15.27 U16.6 U16.7 U16.8 U16.9 U16.12 U16.16 U16.18 U16.19 U16.20 U16.21 U17.27 U17.29 X1.2 X1.4

## Polygon pours and split planes (outlines as drawn)
GND on Inner Layer 1 "GND_L02_P021" (solid, remove dead copper, pour order 21): 0,0 0,45 60,45 60,0
VDD_5V on Inner Layer 1 "VDD_5V_L02_P019" (solid, remove dead copper, pour order 19): 39.827,9.057 40.545,9.057 41.014,8.587 41.014,7.713 39.944,6.643 35.3,6.643 33.396,4.739 33.343,4.791 20.663,4.791 16.545,8.909 16.545,12.235 18.25,12.235 21.827,8.657 39.427,8.657 39.837,9.067
1V8 on Inner Layer 1 "1V8_L02_P018" (solid, remove dead copper, pour order 18): 48.875,14.325 48.875,11.8 47.15,10.075 46.075,11.15 30.575,11.15 30.35,11.375 23.6,11.375 22.275,12.7 22.275,20.875 21.775,21.375 20.875,21.375 19.9,20.4 19.9,11.6 22.225,9.275 43.675,9.275 44.475,8.475 48.9,8.475 49.9,9.475 49.9,14.325 49.575,14.65 49.2,14.65
VDD_5V on Inner Layer 1 "VDD_5V_L02_P006" (solid, remove dead copper, pour order 6): 45.5,14.225 46.6,15.325 46.6,16.9 44.225,19.275 44.225,27.525 43.25,28.5 39.85,28.5 39.6,28.25 39.6,21.175 40.8,19.975 40.8,17.575 44.15,14.225
VDD_5V on Inner Layer 1 "VDD_5V_L02_P002" (solid, remove dead copper, pour order 2): 39.5,28.4 39.5,26.875 40.15,26.225 43,26.225 43.725,26.95 43.725,28.275 43.3,28.7 39.8,28.7
3V3 on Inner Layer 1 "3V3_L02_P010" (solid, remove dead copper, pour order 10): 28.825,16.775 25.475,20.125 25.475,35.55 26.25,36.325 27.85,36.325 35.45,28.725 35.45,18.675 33.55,16.775
GND on Top Layer "GND_L01_P022" (solid, remove dead copper, pour order 22): 0,0 0,45 60,45 60,0
NetC40_2 on Top Layer "NETC40_2_L01_P005" (solid, remove dead copper, pour order 5): 43,7.375 44.4,7.375 44.525,7.25 44.525,5.8 45.475,4.85 45.475,2 45.25,2 43.175,4.075 43.175,5.775 43,5.95
VDD_5V on Top Layer "VDD_5V_L01_P013" (solid, remove dead copper, pour order 13): 39.85,10.575 41.875,10.575 42.425,10.025 42.425,6.35 42.25,6.175 40.975,6.175 39.625,7.525 39.625,10.35
VBUS on Top Layer "VBUS_L01_P017" (solid, remove dead copper, pour order 17): 43.8,9.85 43.8,8.325 44.75,8.325 44.75,9.85
VDD_5V on Top Layer "VDD_5V_L01_P015" (solid, remove dead copper, pour order 15): 46.175,6.35 47.05,6.35 49.725,9.025 49.725,15.175 48.75,16.15 46.425,16.15 45.275,15 45.275,14.5 47.075,12.7 47.075,9.425 46.175,8.525
3V3 on Top Layer "3V3_L01_P007" (solid, remove dead copper, pour order 7): 31.95,4.475 32.25,4.175 32.25,3.6 33.175,3.6 33.175,4.725 33.025,4.875 32.05,4.875 31.95,4.775
GND on Inner Layer 2 "GND_L04_P016" (solid, remove dead copper, pour order 16): 0,0 0,45 60,45 60,0
VBUS on Inner Layer 2 "VBUS_L04_P003" (solid, remove dead copper, pour order 3): 43.475,8.325 44.55,8.325 44.875,8.65 44.875,12.45 46.875,14.45 49.625,14.45 51.125,15.95 52.475,15.95 56.725,20.2 56.725,29.225 59.15,31.65 59.15,36.175 57.625,37.7 53.125,37.7 50.625,35.2 50.625,27.575 51.8,26.4 51.8,20.8 48.325,17.325 46.525,17.325 42.675,13.475 42.675,9.125
3V3 on Inner Layer 2 "3V3_L04_P008" (solid, remove dead copper, pour order 8): 38.05,10.65 38.55,11.15 38.55,12.175 33.9,16.825 33.9,17.625 33.3,18.225 32.075,18.225 31.675,17.825 31.675,15 36.025,10.65 38.05,10.65
VDD_5V on Inner Layer 2 "VDD_5V_L04_P009" (solid, remove dead copper, pour order 9): 41.175,7.3 41.175,6.35 41.825,5.7 46.425,5.7 47.25,6.525 47.25,7 46.975,7.275 45.6,7.275 45.425,7.45 41.325,7.45
GND on Bottom Layer "GND_L06_P020" (solid, remove dead copper, pour order 20): 0,0 0,45 60,45 60,0
3V3 on Bottom Layer "3V3_L06_P004" (solid, remove dead copper, pour order 4): 37.15,9.35 37.925,10.125 39.05,10.125 39.6,10.675 39.6,11.2 38.725,12.075 37.425,12.075 36.6,11.25 36.6,9.875 37,9.475
3V3 on Bottom Layer "3V3_L06_P011" (solid, remove dead copper, pour order 11): 24.85,36.775 24.85,35.25 25.05,35.05 26.375,35.05 26.575,35.25 26.575,35.9 25.6,36.875 25.175,36.875
3V3 on Bottom Layer "3V3_L06_P012" (solid, remove dead copper, pour order 12): 32.15,4.275 33.075,4.275 33.125,4.325 33.125,4.975 32.975,5.125 32.325,5.125 32.025,4.825 32.025,4.4
2V8 on Bottom Layer "2V8_L06_P014" (solid, remove dead copper, pour order 14): 7.45,6.4 7.45,4.85 8.425,4.85 8.775,5.2 8.775,5.75 8.15,6.375
GND on Ground 1 "GND_L03_P000" (solid, remove dead copper, pour order 0): 0,0 0,45 60,45 60,0
GND on Ground 2 "GND_L05_P001" (solid, remove dead copper, pour order 1): 0,0 0,45 60,45 60,0

## Keep-outs
Bottom Layer:
  region: 38.475,22.925 38.475,22.55 38.625,22.55 38.625,22.925
  region: 37.2,22.2 37.3,22.2 37.3,20.9 37.2,20.9 37.2,22.15
Keep-Out Layer:
  region: 25.4,37.55 20.95,42 20.95,45 26.425,45 26.425,37.55

## Other copper
Top Layer:
  region net 1V8: 48.975,14.275 48.975,13.475 49.225,13.225 49.475,13.225 49.9,13.65 49.9,13.975 49.6,14.275 49.425,14.275

## Silkscreen, mask and mechanical layers (free items; w line width, h text height)
Top Overlay:
  circle w0.25: c25.975,18.125 r0.25
  circle w0.2: c25.975,18.125 r1
  lines w0.2: 23.925,18.625 23.425,18.125 ; 25.475,20.175 25.975,20.675 ; 25.675,18.125 23.425,18.125 ; 25.975,18.425 25.975,20.675 ; 26.475,20.175 25.975,20.675 ; 39.7,12.525 39.525,12.35 39.525,10.725 39.525,10.05 39.525,10 39.75,9.775 ; 57.35,28.55 57.35,35.55 ; 57.352,37.127 57.352,38.25 ; 58.146,25.866 58.146,26.846 ; 23.425,18.125 23.925,17.625 23.425,18.125
  text "RIGHT" at 54.6,38.1 h1.5
  text "LEFT" at 6.225,38.025 h1.5
  text "VBUS" at 59.611,36.9 h1.2 r90
  text "+X" at 25.275,20.825 h1.5
  text "+Y" at 21.675,17.625 h1.5
  text "+Z" at 26.925,16.675 h1.5
  text "1" at 6.114,14.717 h1.5
  text "VDD_5V" at 39.725,12.515 h1.5
  text "3V3" at 33.4,1.742 h1.5
Bottom Overlay:
  drawing of 31 lines, arcs and shapes, not listed
  text "+" at 45.668,41.269 h2 r180
  text "5V" at 46.918,41.269 h1.5
  text "-" at 47.418,41.019 h2 r180
  text "1" at 23.411,38.292 h1.5
  text "RST" at 5.5,37.3 h1.5
  text "1V2" at 11.775,31.4 h1.5
  text "1V05" at 14.05,29.967 h1.5
  text ".project_title  / .revision" at 52.2,21.825 h1.5
  text "1" at 9.611,5.692 h1.5
  text "2V8" at 7.2,5.167 h1.5
  text "5V" at 51.528,3.46 h1.5 r270
  text "PG" at 49.77,3.371 h1.5 r270
  text "RUN" at 48.028,3.148 h1.5 r270
  text "+" at 23.517,0.475 h1.25
Board:
  lines w0.1: 0,40.545 0,2 ccw(c2,2) 2,0 54.824,0 ; 4.455,45 58,45 cw(c58,43) 60,43 ; 60,5.175 60,43.008
Fab Notes:
  text "Use .GM1 only for board outline." at 17.932,-3.765 h2
Drill Drawing:
  drawing of 534 lines, arcs and shapes, not listed
  text "Layer" at 13.352,101.347 h1.46
  text "Name" at 23.37,101.347 h1.46
  text "Material" at 46.066,101.347 h1.46
  text "Thickness" at 67.056,101.347 h1.46
  text "Constant" at 82.925,101.347 h1.46
  text "Board Layer Stack" at 96.844,101.347 h1.46
  text "Symbol" at -65.083,101.17 h1.8
  text "Count" at -57.572,101.17 h1.8
  text "Hole Size" at -50.039,101.17 h1.8
  text "Plated" at -35.224,101.17 h1.8
  text "Hole Type" at -28.749,101.17 h1.8
  text "Drill Layer Pair" at -19.375,101.17 h1.8
  text "Top Overlay" at 23.37,98.42 h1.46
  text "1" at -57.572,98.059 h1.5
  text "1,050mm (41,34mil)" at -50.039,98.059 h1.5
  text "PTH" at -35.224,98.059 h1.5
  text "Slot" at -28.749,98.059 h1.5
  text "Top Layer - Bottom Layer" at -19.375,98.059 h1.5
  text "Top Mask" at 23.37,95.493 h1.46
  text "Solder Resist" at 46.066,95.493 h1.46
  text "0,59mil" at 67.056,95.493 h1.46
  text "3.8" at 82.925,95.493 h1.46
  text "1" at -57.572,94.947 h1.5
  text "1,800mm (70,87mil)" at -50.039,94.947 h1.5
  text "NPTH" at -35.224,94.947 h1.5
  text "Round" at -28.749,94.947 h1.5
  text "Top Layer - Bottom Layer" at -19.375,94.947 h1.5
  text "1" at 13.352,92.566 h1.46
  text "Top Layer" at 23.37,92.566 h1.46
  text "1,38mil" at 67.056,92.566 h1.46
  text "2" at -57.572,91.835 h1.5
  text "0,600mm (23,62mil)" at -50.039,91.835 h1.5
  text "PTH" at -35.224,91.835 h1.5
  text "Slot" at -28.749,91.835 h1.5
  text "Top Layer - Bottom Layer" at -19.375,91.835 h1.5
  text "Dielectric 1" at 23.37,89.64 h1.46
  text "2313" at 46.066,89.64 h1.46
  text "3,94mil" at 67.056,89.64 h1.46
  text "4.05" at 82.925,89.64 h1.46
  text "2" at -57.572,88.724 h1.5
  text "0,600mm (23,62mil)" at -50.039,88.724 h1.5
  text "PTH" at -35.224,88.724 h1.5
  text "Slot" at -28.749,88.724 h1.5
  text "Top Layer - Bottom Layer" at -19.375,88.724 h1.5
  text "2" at 13.352,86.713 h1.46
  text "Inner Layer 1" at 23.37,86.713 h1.46
  text "0,71mil" at 67.056,86.713 h1.46
  text "2" at -57.572,85.612 h1.5
  text "0,860mm (33,86mil)" at -50.039,85.612 h1.5
  text "PTH" at -35.224,85.612 h1.5
  text "Round" at -28.749,85.612 h1.5
  text "Top Layer - Bottom Layer" at -19.375,85.612 h1.5
  text "Core 1" at 23.37,83.786 h1.46
  text "FR-4" at 46.066,83.786 h1.46
  text "22,24mil" at 67.056,83.786 h1.46
  text "4.5" at 82.925,83.786 h1.46
  text "2" at -57.572,82.5 h1.5
  text "1,020mm (40,16mil)" at -50.039,82.5 h1.5
  text "PTH" at -35.224,82.5 h1.5
  text "Round" at -28.749,82.5 h1.5
  text "Top Layer - Bottom Layer" at -19.375,82.5 h1.5
  text "3" at 13.352,80.859 h1.46
  text "Ground 1" at 23.37,80.859 h1.46
  text "0,71mil" at 67.056,80.859 h1.46
  text "2" at -57.572,79.388 h1.5
  text "1,050mm (41,34mil)" at -50.039,79.388 h1.5
  text "PTH" at -35.224,79.388 h1.5
  text "Slot" at -28.749,79.388 h1.5
  text "Top Layer - Bottom Layer" at -19.375,79.388 h1.5
  text "Dielectric 2" at 23.37,77.933 h1.46
  text "2116" at 46.066,77.933 h1.46
  text "5,00mil" at 67.056,77.933 h1.46
  text "4.25" at 82.925,77.933 h1.46
  text "2" at -57.572,76.277 h1.5
  text "2,750mm (108,27mil)" at -50.039,76.277 h1.5
  text "PTH" at -35.224,76.277 h1.5
  text "Round" at -28.749,76.277 h1.5
  text "Top Layer - Bottom Layer" at -19.375,76.277 h1.5
  text "4" at 13.352,75.006 h1.46
  text "Inner Layer 2" at 23.37,75.006 h1.46
  text "0,71mil" at 67.056,75.006 h1.46
  text "2" at -57.572,73.165 h1.5
  text "3,000mm (118,11mil)" at -50.039,73.165 h1.5
  text "PTH" at -35.224,73.165 h1.5
  text "Round" at -28.749,73.165 h1.5
  text "Top Layer - Bottom Layer" at -19.375,73.165 h1.5
  text "Core 2" at 23.37,72.079 h1.46
  text "FR-4" at 46.066,72.079 h1.46
  text "22,24mil" at 67.056,72.079 h1.46
  text "4.5" at 82.925,72.079 h1.46
  text "6" at -57.572,70.053 h1.5
  text "0,500mm (19,69mil)" at -50.039,70.053 h1.5
  text "NPTH" at -35.224,70.053 h1.5
  text "Round" at -28.749,70.053 h1.5
  text "Top Layer - Bottom Layer" at -19.375,70.053 h1.5
  text "5" at 13.352,69.152 h1.46
  text "Ground 2" at 23.37,69.152 h1.46
  text "0,71mil" at 67.056,69.152 h1.46
  text "8" at -57.572,66.942 h1.5
  text "0,254mm (10,00mil)" at -50.039,66.942 h1.5
  text "PTH" at -35.224,66.942 h1.5
  text "Round" at -28.749,66.942 h1.5
  text "Top Layer - Bottom Layer" at -19.375,66.942 h1.5
  text "Dielectric 3" at 23.37,66.226 h1.46
  text "2313" at 46.066,66.226 h1.46
  text "3,94mil" at 67.056,66.226 h1.46
  text "4.05" at 82.925,66.226 h1.46
  text "14" at -57.572,63.83 h1.5
  text "0,203mm (7,99mil)" at -50.039,63.83 h1.5
  text "PTH" at -35.224,63.83 h1.5
  text "Round" at -28.749,63.83 h1.5
  text "Top Layer - Bottom Layer" at -19.375,63.83 h1.5
  text "6" at 13.352,63.299 h1.46
  text "Bottom Layer" at 23.37,63.299 h1.46
  text "1,38mil" at 67.056,63.299 h1.46
  text "734" at -57.572,60.718 h1.5
  text "0,203mm (8,00mil)" at -50.039,60.718 h1.5
  text "PTH" at -35.224,60.718 h1.5
  text "Round" at -28.749,60.718 h1.5
  text "Top Layer - Bottom Layer" at -19.375,60.718 h1.5
  text "Bottom Mask" at 23.37,60.372 h1.46
  text "Solder Resist" at 46.066,60.372 h1.46
  text "0,59mil" at 67.056,60.372 h1.46
  text "3.8" at 82.925,60.372 h1.46
  text "778 Total" at -57.572,57.607 h1.5
  text "Bottom Overlay" at 23.37,57.445 h1.46
  text "Slot definitions :" at -65.083,55.428 h1.5
  text "Routed Path Length" at -53.82,55.428 h1.5
  text "= Calculated from tool start centre position to tool end centre position." at -40.327,55.428 h1.5
  text "Total board thickness:" at 13.352,54.519 h1.46
  text "64,14mil" at 67.056,54.519 h1.46
  text "Hole Length" at -53.82,54.184 h1.5
  text "= Routed Path Length + Tool Size = Slot length as defined in the PCB layout" at -45.322,54.184 h1.5

## Text inside footprints (layer, text, board x,y; h text height)
J4: Bottom Overlay "1" at 23.825,0.5 h1
J7: Bottom Overlay "-" at 53.525,17.175 h3; Bottom Overlay "+" at 45.775,16.75 h3; Bottom Overlay "5V" at 51.225,19.25 h3
J12: Bottom Overlay "Connector A" at 1.621,24.936 h1 r90
J13: Bottom Overlay "Connector B" at 44.621,21.666 h1 r90
LS1: Top Overlay "+" at 24.235,0.577 h1.27 r90; Top Overlay "-" at 24.3,9.2 h1.27 r90
U5: Assembly Notes "Based on 0.125 thick stencil" at 52.527,19.814 h0.5 r180
U11: Top Assembly "PCB ANTENNA" at 33.647,40.478 h1; Top Assembly "WROOM" at 34.5,18.418 h1